# Altium PCB UmTRXv2.PcbDoc (part 23 of 25) (continued)
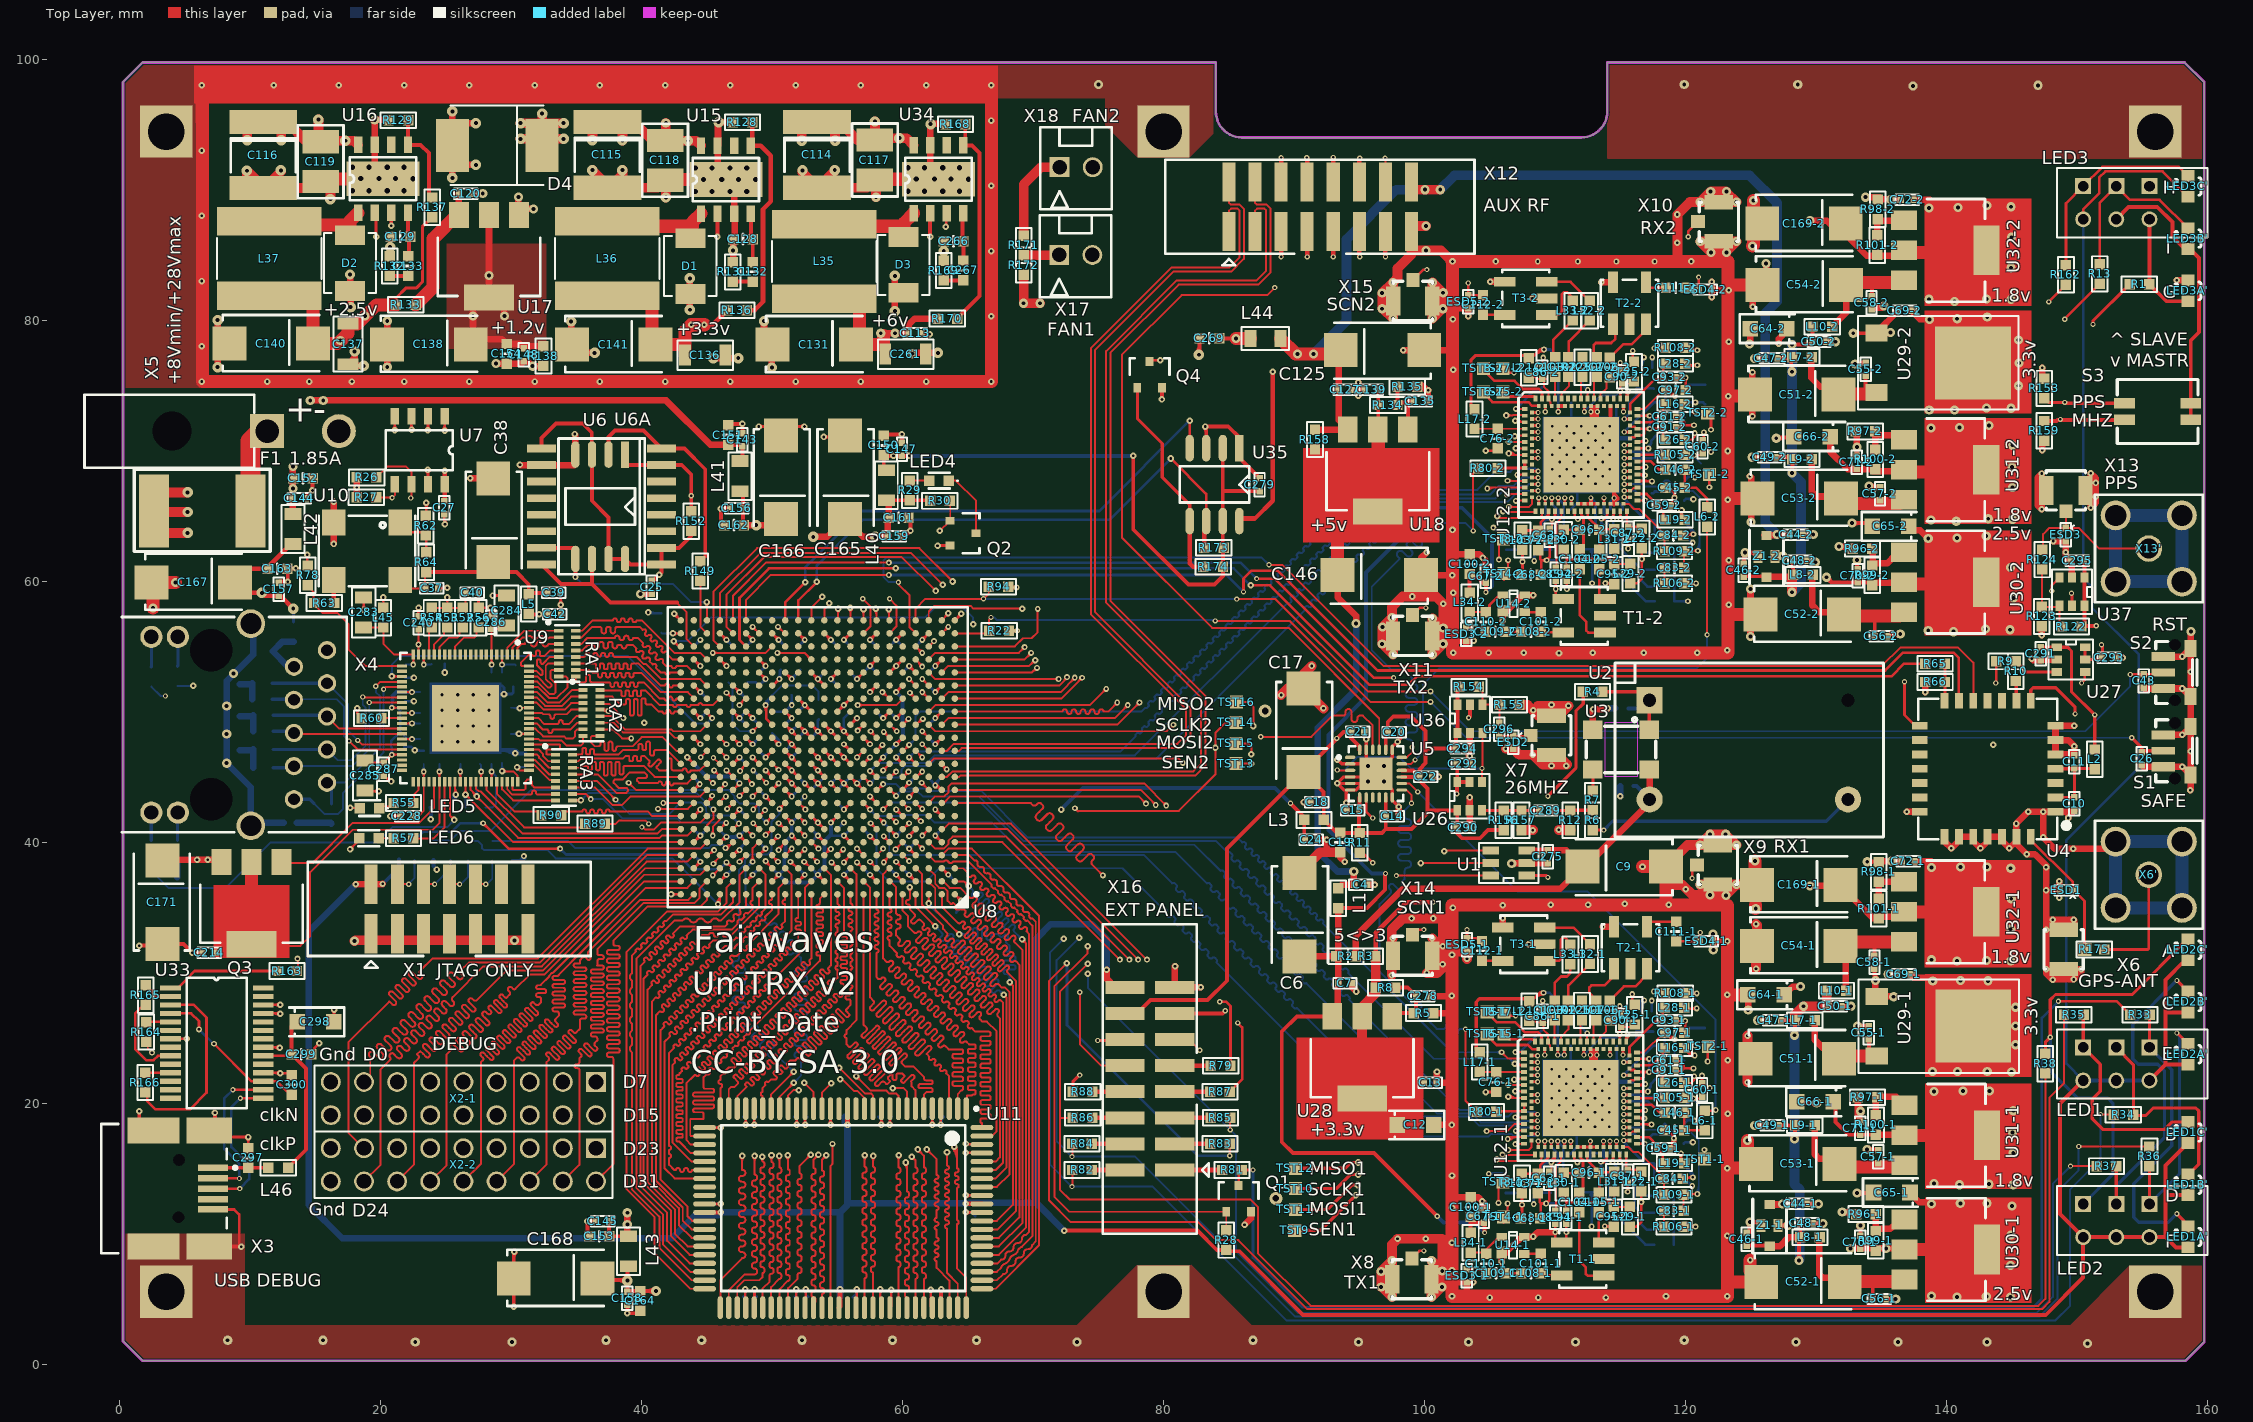
[diagram p0: Top Layer view]
## Nets (pads, with @x,y where several pads share a name; then routed paths per layer and width w, separated by ;. In a path a pad name is that pad's centre, name@x,y a point inside that pad or via, vN(x,y) a via of type N, cw(c..) or ccw(c..) an arc to the next point about the centre after c; other vN are vias at no path point) (continued)
TX2D3: U8.K7 U12-2.24 | length 76.3
  Top Layer w0.15: v2@57.5,45.275 cw(c57.5,44.732) U8.K7@57.884,45.116 ; v2@57.675,45.45 ccw(c57.977,45.45) 57.763,45.237 ; 57.719,45.241 cw(c57.8,45.546) v2(57.5,45.45) ; U8.K7@58,45 57.55,45.45 v2(57.5,45.45) ; v2(57.5,45.45) cw(c57.453,45.166) 57.731,45.241 ccw(c57.453,45.166) v2(57.5,45.45) ; v2(57.5,45.45) ccw(c57.877,45.591) 57.773,45.202 cw(c57.877,45.591) v2(57.5,45.45) ; v2@57.5,45.3 cw(c57.5,44.817) 57.841,45.159 ccw(c57.5,44.817) v2@57.5,45.3 ; v2@57.65,45.45 ccw(c57.891,45.45) 57.721,45.279 cw(c57.891,45.45) v2@57.65,45.45
  Top Layer w0.2: U12-2.24@108.246,67.43 v4@108.671,67.43 ; 108.455,67.43 cw(c108.455,67.188) v4@108.625,67.359 ; 108.455,67.43 ccw(c108.455,67.671) v4@108.625,67.501 ; 108.455,67.43 ccw(c108.455,67.671) v4@108.625,67.501 ; 108.455,67.43 cw(c108.455,67.188) v4@108.625,67.359 ; 108.455,67.43 ccw(c108.455,67.671) v4@108.625,67.501 ; 108.455,67.43 cw(c108.455,67.188) v4@108.625,67.359
  Bottom Layer w0.15: v2@57.5,45.625 ccw(c57.5,46.047) 57.799,45.749 ccw(c58.097,45.45) v2@57.675,45.45 ; v4(108.696,67.43) 108,67.43 107.87,67.3 107.19,67.3 106.94,67.05 106.134,67.05 105.434,66.35 97.5,66.35 97.176,66.026 97.183,66.019 cw(c97.084,65.92) 97.183,65.821 97.134,65.772 cw(c97.035,65.871) 96.936,65.772 96.929,65.779 96.922,65.786 ccw(c96.823,65.687) 96.724,65.786 96.674,65.736 ccw(c96.773,65.637) 96.674,65.538 96.681,65.531 96.688,65.524 cw(c96.589,65.425) 96.688,65.326 96.639,65.277 cw(c96.54,65.376) 96.441,65.277 96.434,65.284 96.427,65.291 ccw(c96.328,65.192) 96.229,65.291 96.179,65.241 ccw(c96.278,65.142) 96.179,65.043 96.186,65.036 96.193,65.029 cw(c96.094,64.93) 96.193,64.831 96.144,64.782 cw(c96.045,64.881) 95.946,64.782 95.939,64.789 95.932,64.796 ccw(c95.833,64.697) 95.734,64.796 95.684,64.746 ccw(c95.783,64.647) 95.684,64.548 95.691,64.541 95.698,64.534 cw(c95.599,64.435) 95.698,64.336 95.649,64.287 cw(c95.55,64.386) 95.451,64.287 95.437,64.301 ccw(c95.338,64.202) 95.239,64.301 95.189,64.251 ccw(c95.288,64.152) 95.189,64.053 95.196,64.046 95.203,64.039 cw(c95.104,63.94) 95.203,63.841 95.154,63.792 cw(c95.055,63.891) 94.956,63.792 94.949,63.799 94.942,63.806 ccw(c94.843,63.707) 94.744,63.806 94.694,63.756 ccw(c94.793,63.657) 94.694,63.558 94.701,63.551 94.708,63.544 cw(c94.609,63.445) 94.708,63.346 94.659,63.297 cw(c94.56,63.396) 94.461,63.297 94.454,63.304 94.447,63.311 ccw(c94.348,63.212) 94.249,63.311 94.199,63.261 ccw(c94.298,63.162) 94.199,63.063 94.206,63.056 94.213,63.049 cw(c94.114,62.95) 94.213,62.851 94.164,62.802 cw(c94.065,62.901) 93.966,62.802 93.959,62.809 93.952,62.816 ccw(c93.853,62.717) 93.754,62.816 93.704,62.767 ccw(c93.803,62.668) 93.704,62.569 93.711,62.561 93.719,62.554 cw(c93.62,62.455) 93.719,62.356 93.669,62.307 cw(c93.57,62.406) 93.471,62.307 93.464,62.314 93.457,62.321 ccw(c93.358,62.222) 93.259,62.321 93.209,62.272 ccw(c93.308,62.173) 93.209,62.074 93.224,62.059 cw(c93.125,61.96) 93.224,61.861 93.174,61.812 cw(c93.075,61.911) 92.976,61.812 92.969,61.819 92.962,61.826 ccw(c92.863,61.727) 92.764,61.826 92.714,61.777 ccw(c92.813,61.678) 92.714,61.579 92.721,61.571 92.729,61.564 cw(c92.63,61.465) 92.729,61.366 92.679,61.317 cw(c92.58,61.416) 92.481,61.317 92.474,61.324 92.467,61.331 ccw(c92.368,61.232) 92.269,61.331 92.219,61.282 ccw(c92.318,61.183) 92.219,61.084 92.227,61.077 92.234,61.069 cw(c92.135,60.97) 92.234,60.871 92.184,60.822 cw(c92.085,60.921) 91.986,60.822 91.979,60.829 91.972,60.836 ccw(c91.873,60.737) 91.774,60.836 91.724,60.787 ccw(c91.823,60.688) 91.724,60.589 91.732,60.582 91.739,60.574 cw(c91.64,60.475) 91.739,60.376 91.689,60.327 cw(c91.59,60.426) 91.491,60.327 91.484,60.334 91.477,60.341 ccw(c91.378,60.242) 91.279,60.341 91.23,60.292 ccw(c91.328,60.193) 91.229,60.094 91.237,60.087 91.244,60.079 cw(c91.145,59.981) 91.244,59.882 91.194,59.832 cw(c91.095,59.931) 90.996,59.832 90.982,59.846 ccw(c90.883,59.747) 90.784,59.846 90.735,59.797 ccw(c90.834,59.698) 90.735,59.599 90.742,59.592 90.749,59.585 cw(c90.65,59.486) 90.749,59.387 90.699,59.337 cw(c90.6,59.436) 90.501,59.337 90.494,59.344 90.487,59.351 ccw(c90.388,59.252) 90.289,59.351 90.24,59.302 ccw(c90.339,59.203) 90.24,59.104 90.247,59.097 90.254,59.09 cw(c90.155,58.991) 90.254,58.892 90.204,58.842 cw(c90.105,58.941) 90.006,58.842 89.999,58.849 89.992,58.856 ccw(c89.893,58.757) 89.794,58.856 89.745,58.807 ccw(c89.844,58.708) 89.745,58.609 89.752,58.602 89.759,58.595 cw(c89.66,58.496) 89.759,58.397 89.709,58.347 cw(c89.61,58.446) 89.511,58.347 89.504,58.354 77.8,46.65 62.446,46.65 61.871,46.075 58.125,46.075 v2(57.5,45.45) ; v2(57.5,45.45) ccw(c57.409,45.78) 57.74,45.691 cw(c57.409,45.78) v2(57.5,45.45) ; v2(57.5,45.45) cw(c57.83,45.359) 57.741,45.69 ccw(c57.83,45.359) v2(57.5,45.45) ; 57.756,45.706 cw(c57.5,45.962) 57.5,45.6 ccw(c57.5,45.962) 57.756,45.706 ; 57.756,45.706 ccw(c58.012,45.45) 57.65,45.45 cw(c58.012,45.45) 57.756,45.706 ; 108.394,67.43 cw(c108.394,67.128) v4@108.608,67.341 ; 108.394,67.43 ccw(c108.394,67.732) v4@108.608,67.518 ; 108.394,67.43 ccw(c108.394,67.732) v4@108.608,67.518 ; 108.394,67.43 cw(c108.394,67.128) v4@108.608,67.341 ; 108.394,67.43 ccw(c108.394,67.732) v4@108.608,67.518 ; 108.394,67.43 cw(c108.394,67.128) v4@108.608,67.341
TX2D4: U8.P2 U12-2.25 | length 76.3
  Top Layer w0.15: U8.P2@63,49 63.5,49.5 76.25,49.5 v2(77.25,50.5) ; v2(104.8,67.1) 104.88,67.18 U12-2.25@107.671,67.18 ; 76.994,50.244 cw(c77.25,49.988) v2@77.25,50.35 ; 76.994,50.244 ccw(c76.738,50.5) v2@77.1,50.5 ; 76.994,50.244 ccw(c76.738,50.5) v2@77.1,50.5 ; 76.994,50.244 cw(c77.25,49.988) v2@77.25,50.35 ; 76.994,50.244 ccw(c76.738,50.5) v2@77.1,50.5 ; 76.994,50.244 cw(c77.25,49.988) v2@77.25,50.35 ; 77.049,50.311 cw(c77.303,50.243) v2(77.25,50.5) ; 77.049,50.311 cw(c77.303,50.243) v2(77.25,50.5) ; 77.049,50.311 cw(c77.303,50.243) v2(77.25,50.5) ; 77.061,50.299 ccw(c76.993,50.553) v2(77.25,50.5) ; 77.061,50.299 ccw(c76.993,50.553) v2(77.25,50.5) ; 77.061,50.299 ccw(c76.993,50.553) v2(77.25,50.5) ; v2@104.906,66.994 cw(c105.355,66.545) 105.355,67.18 ; v2@104.906,66.994 cw(c105.355,66.545) 105.355,67.18 ; v2@104.906,66.994 cw(c105.355,66.545) 105.355,67.18
  MidLayer1 w0.15: 94.093,64.544 93.994,64.643 ccw(c93.867,64.516) 93.74,64.643 93.676,64.58 ccw(c93.803,64.452) 93.676,64.325 93.775,64.226 cw(c93.648,64.099) 93.775,63.972 93.711,63.908 cw(c93.584,64.035) 93.457,63.908 93.358,64.007 ccw(c93.231,63.88) 93.103,64.007 93.04,63.943 ccw(c93.167,63.816) 93.04,63.689 93.089,63.639 93.139,63.59 cw(c93.011,63.462) 93.139,63.335 93.075,63.272 cw(c92.948,63.399) 92.821,63.272 92.722,63.371 ccw(c92.594,63.243) 92.467,63.371 92.403,63.307 ccw(c92.531,63.18) 92.403,63.052 92.453,63.003 92.502,62.953 cw(c92.375,62.826) 92.502,62.699 92.439,62.635 cw(c92.311,62.762) 92.184,62.635 92.085,62.734 ccw(c91.958,62.607) 91.831,62.734 91.767,62.67 ccw(c91.894,62.543) 91.767,62.416 91.866,62.317 cw(c91.739,62.19) 91.866,62.062 91.802,61.999 cw(c91.675,62.126) 91.548,61.999 91.449,62.098 ccw(c91.321,61.97) 91.194,62.098 91.131,62.034 ccw(c91.258,61.907) 91.131,61.78 91.23,61.681 cw(c91.102,61.553) 91.23,61.426 91.166,61.362 cw(c91.039,61.49) 90.911,61.362 90.862,61.412 90.812,61.461 ccw(c90.685,61.334) 90.558,61.461 90.494,61.398 ccw(c90.621,61.27) 90.494,61.143 90.593,61.044 cw(c90.466,60.917) 90.593,60.79 90.529,60.726 cw(c90.402,60.853) 90.275,60.726 90.225,60.775 90.176,60.825 ccw(c90.049,60.698) 89.921,60.825 89.858,60.761 ccw(c89.985,60.634) 89.858,60.507 89.957,60.408 cw(c89.829,60.28) 89.957,60.153 89.893,60.09 cw(c89.766,60.217) 89.639,60.09 89.54,60.189 ccw(c89.412,60.061) 89.285,60.189 89.221,60.125 ccw(c89.349,59.998) 89.221,59.87 89.32,59.771 cw(c89.193,59.644) 89.32,59.517 89.257,59.453 cw(c89.129,59.58) 89.002,59.453 88.903,59.552 ccw(c88.776,59.425) 88.649,59.552 88.585,59.488 ccw(c88.712,59.361) 88.585,59.234 88.634,59.184 88.684,59.135 cw(c88.557,59.008) 88.684,58.88 88.62,58.817 cw(c88.493,58.944) 88.366,58.817 88.267,58.916 ccw(c88.139,58.788) 88.012,58.916 87.949,58.852 ccw(c88.076,58.725) 87.949,58.598 87.998,58.548 88.048,58.499 cw(c87.92,58.371) 88.048,58.244 87.984,58.18 cw(c87.857,58.308) 87.729,58.18 87.63,58.279 ccw(c87.503,58.152) 87.376,58.279 87.312,58.216 ccw(c87.439,58.088) 87.312,57.961 87.411,57.862 cw(c87.284,57.735) 87.411,57.608 87.348,57.544 cw(c87.22,57.671) 87.093,57.544 86.994,57.643 ccw(c86.867,57.516) 86.739,57.643 86.676,57.579 ccw(c86.803,57.452) 86.676,57.325 86.775,57.226 cw(c86.647,57.098) 86.775,56.971 86.711,56.908 cw(c86.584,57.035) 86.457,56.908 86.407,56.957 86.358,57.007 ccw(c86.23,56.879) 86.103,57.007 86.039,56.943 ccw(c86.167,56.816) 86.039,56.688 86.138,56.589 cw(c86.011,56.462) 86.138,56.335 86.075,56.271 cw(c85.947,56.398) 85.82,56.271 85.771,56.321 85.721,56.37 ccw(c85.594,56.243) 85.467,56.37 85.403,56.307 ccw(c85.53,56.179) 85.403,56.052 85.502,55.953 cw(c85.375,55.826) 85.502,55.698 85.438,55.635 cw(c85.311,55.762) 85.184,55.635 85.085,55.734 ccw(c84.957,55.606) 84.83,55.734 84.767,55.67 ccw(c84.894,55.543) 84.767,55.416 84.866,55.317 cw(c84.738,55.189) 84.866,55.062 84.802,54.998 cw(c84.675,55.126) 84.547,54.998 84.448,55.097 ccw(c84.321,54.97) 84.194,55.097 84.13,55.034 ccw(c84.257,54.906) 84.13,54.779 84.18,54.73 84.229,54.68 cw(c84.102,54.553) 84.229,54.426 84.166,54.362 cw(c84.038,54.489) 83.911,54.362 83.812,54.461 ccw(c83.685,54.334) 83.557,54.461 83.494,54.397 ccw(c83.621,54.27) 83.494,54.143 83.543,54.093 83.593,54.044 cw(c83.466,53.917) 83.593,53.789 83.529,53.726 cw(c83.402,53.853) 83.275,53.726 83.176,53.825 ccw(c83.048,53.697) 82.921,53.825 82.857,53.761 ccw(c82.985,53.634) 82.857,53.506 82.956,53.407 cw(c82.829,53.28) 82.956,53.153 82.893,53.089 cw(c82.765,53.216) 82.638,53.089 82.539,53.188 ccw(c82.412,53.061) 82.285,53.188 82.221,53.125 ccw(c82.348,52.997) 82.221,52.87 82.32,52.771 cw(c82.193,52.644) 82.32,52.516 82.256,52.453 cw(c82.129,52.58) 82.002,52.453 81.952,52.502 81.903,52.552 ccw(c81.776,52.425) 81.648,52.552 81.585,52.488 ccw(c81.712,52.361) 81.585,52.234 cw(c81.535,52.184) 81.585,52.135 81.1,51.65 78.35,51.65 77.25,50.55 v2(77.25,50.5) ; 94.093,64.544 ccw(c94.221,64.672) 94.348,64.544 ; 94.348,64.544 94.411,64.608 ccw(c94.284,64.735) 94.411,64.862 94.312,64.961 cw(c94.44,65.089) 94.312,65.216 94.376,65.28 cw(c94.503,65.152) 94.631,65.28 94.68,65.23 94.73,65.181 ccw(c94.857,65.308) 94.984,65.181 95.048,65.244 ccw(c94.921,65.372) 95.048,65.499 94.949,65.598 cw(c95.076,65.725) 94.949,65.852 95.013,65.916 cw(c95.14,65.789) 95.267,65.916 ccw(c95.317,65.966) 95.366,65.916 96.55,67.1 v2(104.8,67.1) ; v2(77.25,50.5) ccw(c77.154,50.8) 77.459,50.719 ; v2(77.25,50.5) ccw(c77.154,50.8) 77.459,50.719 ; v2(77.25,50.5) ccw(c77.154,50.8) 77.459,50.719 ; v2@77.25,50.65 ccw(c77.25,50.891) 77.421,50.721 ; v2@77.25,50.65 ccw(c77.25,50.891) 77.421,50.721 ; v2@77.25,50.65 ccw(c77.25,50.891) 77.421,50.721 ; v2@77.4,50.5 cw(c77.883,50.5) 77.541,50.841 ; v2@77.4,50.5 cw(c77.883,50.5) 77.541,50.841 ; v2@77.4,50.5 cw(c77.883,50.5) 77.541,50.841 ; 104.438,67.1 cw(c104.438,66.738) v2@104.694,66.994 ; 104.438,67.1 ccw(c104.438,67.462) v2@104.694,67.206 ; 104.438,67.1 ccw(c104.438,67.462) v2@104.694,67.206 ; 104.438,67.1 cw(c104.438,66.738) v2@104.694,66.994 ; 104.438,67.1 ccw(c104.438,67.462) v2@104.694,67.206 ; 104.438,67.1 cw(c104.438,66.738) v2@104.694,66.994
TX2D5: U8.K8 U12-2.26 | length 76.8
  Top Layer w0.15: U8.K8@57,45 v2(57.5,44.5) ; 57.299,44.689 ccw(c57.553,44.757) v2(57.5,44.5) ; 57.311,44.701 cw(c57.243,44.447) v2(57.5,44.5) ; v2@57.325,44.5 ccw(c56.903,44.5) 57.201,44.799 ccw(c57.5,45.098) v2@57.5,44.675 ; 57.244,44.756 cw(c56.988,44.5) 57.35,44.5 ccw(c56.988,44.5) 57.244,44.756 ; 57.244,44.756 ccw(c57.5,45.012) 57.5,44.65 cw(c57.5,45.012) 57.244,44.756 ; v2(57.5,44.5) ccw(c57.17,44.409) 57.259,44.74 cw(c57.17,44.409) v2(57.5,44.5) ; v2(57.5,44.5) cw(c57.591,44.83) 57.26,44.741 ccw(c57.591,44.83) v2(57.5,44.5)
  Top Layer w0.2: U12-2.26@108.246,66.93 v4@108.671,66.93 ; 108.455,66.93 cw(c108.455,66.688) v4@108.625,66.859 ; 108.455,66.93 ccw(c108.455,67.171) v4@108.625,67.001 ; 108.455,66.93 ccw(c108.455,67.171) v4@108.625,67.001 ; 108.455,66.93 cw(c108.455,66.688) v4@108.625,66.859 ; 108.455,66.93 ccw(c108.455,67.171) v4@108.625,67.001 ; 108.455,66.93 cw(c108.455,66.688) v4@108.625,66.859
  Bottom Layer w0.15: v2@57.5,44.675 ccw(c57.5,45.097) 57.799,44.799 ccw(c58.097,44.5) v2@57.675,44.5 ; v4(108.696,66.93) 107.214,66.93 106.384,66.1 106.284,66.1 106.234,66.05 99.1,66.05 98.276,65.226 98.283,65.219 cw(c98.184,65.12) 98.283,65.021 98.234,64.972 cw(c98.135,65.071) 98.036,64.972 98.029,64.979 98.022,64.986 ccw(c97.923,64.887) 97.824,64.986 97.774,64.936 ccw(c97.873,64.837) 97.774,64.738 97.781,64.731 97.788,64.724 cw(c97.689,64.625) 97.788,64.526 97.739,64.477 cw(c97.64,64.576) 97.541,64.477 97.534,64.484 97.527,64.491 ccw(c97.428,64.392) 97.329,64.491 97.279,64.441 ccw(c97.378,64.342) 97.279,64.243 97.286,64.236 97.293,64.229 cw(c97.194,64.13) 97.293,64.031 97.244,63.982 cw(c97.145,64.081) 97.046,63.982 97.039,63.989 97.032,63.996 ccw(c96.933,63.897) 96.834,63.996 96.784,63.946 ccw(c96.883,63.847) 96.784,63.748 96.791,63.741 96.798,63.734 cw(c96.699,63.635) 96.798,63.536 96.749,63.487 cw(c96.65,63.586) 96.551,63.487 96.537,63.501 ccw(c96.438,63.402) 96.339,63.501 96.289,63.451 ccw(c96.388,63.352) 96.289,63.253 96.296,63.246 96.303,63.239 cw(c96.204,63.14) 96.303,63.041 96.254,62.992 cw(c96.155,63.091) 96.056,62.992 96.049,62.999 96.042,63.006 ccw(c95.943,62.907) 95.844,63.006 95.794,62.956 ccw(c95.893,62.857) 95.794,62.758 95.801,62.751 95.808,62.744 cw(c95.709,62.645) 95.808,62.546 95.759,62.497 cw(c95.66,62.596) 95.561,62.497 95.554,62.504 95.547,62.511 ccw(c95.448,62.412) 95.349,62.511 95.299,62.461 ccw(c95.398,62.362) 95.299,62.263 95.306,62.256 95.313,62.249 cw(c95.214,62.15) 95.313,62.051 95.264,62.002 cw(c95.165,62.101) 95.066,62.002 95.059,62.009 95.052,62.016 ccw(c94.953,61.917) 94.854,62.016 94.804,61.967 ccw(c94.903,61.868) 94.804,61.769 94.811,61.761 94.819,61.754 cw(c94.72,61.655) 94.819,61.556 94.769,61.507 cw(c94.67,61.606) 94.571,61.507 94.564,61.514 94.557,61.521 ccw(c94.458,61.422) 94.359,61.521 94.309,61.472 ccw(c94.408,61.373) 94.309,61.274 94.324,61.259 cw(c94.225,61.16) 94.324,61.061 94.274,61.012 cw(c94.175,61.111) 94.076,61.012 94.069,61.019 94.062,61.026 ccw(c93.963,60.927) 93.864,61.026 93.814,60.977 ccw(c93.913,60.878) 93.814,60.779 93.821,60.771 93.829,60.764 cw(c93.73,60.665) 93.829,60.566 93.779,60.517 cw(c93.68,60.616) 93.581,60.517 93.574,60.524 93.567,60.531 ccw(c93.468,60.432) 93.369,60.531 93.319,60.482 ccw(c93.418,60.383) 93.319,60.284 93.327,60.277 93.334,60.269 cw(c93.235,60.17) 93.334,60.071 93.284,60.022 cw(c93.185,60.121) 93.086,60.022 93.079,60.029 93.072,60.036 ccw(c92.973,59.937) 92.874,60.036 92.824,59.987 ccw(c92.923,59.888) 92.824,59.789 92.832,59.782 92.839,59.774 cw(c92.74,59.675) 92.839,59.576 92.789,59.527 cw(c92.69,59.626) 92.591,59.527 92.584,59.534 92.577,59.541 ccw(c92.478,59.442) 92.379,59.541 92.33,59.492 ccw(c92.428,59.393) 92.329,59.294 92.337,59.287 92.344,59.279 cw(c92.245,59.181) 92.344,59.082 92.294,59.032 cw(c92.195,59.131) 92.096,59.032 92.082,59.046 ccw(c91.983,58.947) 91.884,59.046 91.835,58.997 ccw(c91.934,58.898) 91.835,58.799 91.842,58.792 91.849,58.785 cw(c91.75,58.686) 91.849,58.587 91.799,58.537 cw(c91.7,58.636) 91.601,58.537 91.594,58.544 91.587,58.551 ccw(c91.488,58.452) 91.389,58.551 91.34,58.502 ccw(c91.439,58.403) 91.34,58.304 91.347,58.297 91.354,58.29 cw(c91.255,58.191) 91.354,58.092 91.304,58.042 cw(c91.205,58.141) 91.106,58.042 91.099,58.049 91.092,58.056 ccw(c90.993,57.957) 90.894,58.056 90.845,58.007 ccw(c90.944,57.908) 90.845,57.809 90.852,57.802 79.425,46.375 62.525,46.375 61.975,45.825 60.175,45.825 59.925,45.575 59.925,45.224 59.651,44.95 57.95,44.95 v2(57.5,44.5) ; v2(57.5,44.5) ccw(c57.409,44.83) 57.74,44.741 cw(c57.409,44.83) v2(57.5,44.5) ; v2(57.5,44.5) cw(c57.83,44.409) 57.741,44.74 ccw(c57.83,44.409) v2(57.5,44.5) ; 57.756,44.756 cw(c57.5,45.012) 57.5,44.65 ccw(c57.5,45.012) 57.756,44.756 ; 57.756,44.756 ccw(c58.012,44.5) 57.65,44.5 cw(c58.012,44.5) 57.756,44.756 ; 108.394,66.93 cw(c108.394,66.628) v4@108.608,66.841 ; 108.394,66.93 ccw(c108.394,67.232) v4@108.608,67.018 ; 108.394,66.93 ccw(c108.394,67.232) v4@108.608,67.018 ; 108.394,66.93 cw(c108.394,66.628) v4@108.608,66.841 ; 108.394,66.93 ccw(c108.394,67.232) v4@108.608,67.018 ; 108.394,66.93 cw(c108.394,66.628) v4@108.608,66.841
TX2D6: U8.P1 U12-2.27 | length 77.5
  Top Layer w0.15: U8.P1@64,49 76.45,49 v2(78.15,50.7) ; v2(106.3,66.65) 106.304,66.65 106.414,66.541 106.5,66.7 106.48,66.68 U12-2.27@107.671,66.68 ; 77.894,50.444 cw(c78.15,50.188) v2@78.15,50.55 ; 77.894,50.444 ccw(c77.638,50.7) v2@78,50.7 ; 77.894,50.444 ccw(c77.638,50.7) v2@78,50.7 ; 77.894,50.444 cw(c78.15,50.188) v2@78.15,50.55 ; 77.894,50.444 ccw(c77.638,50.7) v2@78,50.7 ; 77.894,50.444 cw(c78.15,50.188) v2@78.15,50.55 ; 77.949,50.511 cw(c78.203,50.443) v2(78.15,50.7) ; 77.949,50.511 cw(c78.203,50.443) v2(78.15,50.7) ; 77.949,50.511 cw(c78.203,50.443) v2(78.15,50.7) ; 77.961,50.499 ccw(c77.893,50.753) v2(78.15,50.7) ; 77.961,50.499 ccw(c77.893,50.753) v2(78.15,50.7) ; 77.961,50.499 ccw(c77.893,50.753) v2(78.15,50.7) ; v2@106.406,66.544 cw(c106.734,66.216) 106.734,66.68 ; v2@106.406,66.544 cw(c106.734,66.216) 106.734,66.68 ; v2@106.406,66.544 cw(c106.734,66.216) 106.734,66.68 ; v2@106.406,66.756 ccw(c106.59,66.94) 106.59,66.68 ; v2@106.406,66.756 ccw(c106.59,66.94) 106.59,66.68 ; v2@106.406,66.756 ccw(c106.59,66.94) 106.59,66.68
  MidLayer1 w0.15: v2(78.15,50.7) 78.8,51.35 82.35,51.35 84.763,53.763 ccw(c84.714,53.813) 84.763,53.862 cw(c84.891,53.99) 84.763,54.117 84.827,54.181 cw(c84.954,54.053) 85.082,54.181 85.181,54.082 ccw(c85.308,54.209) 85.435,54.082 85.499,54.145 ccw(c85.371,54.272) 85.499,54.4 85.4,54.499 cw(c85.527,54.626) 85.4,54.753 85.463,54.817 cw(c85.591,54.69) 85.718,54.817 85.767,54.767 85.817,54.718 ccw(c85.944,54.845) 86.072,54.718 86.135,54.782 ccw(c86.008,54.909) 86.135,55.036 86.036,55.135 cw(c86.163,55.262) 86.036,55.39 86.1,55.453 cw(c86.227,55.326) 86.354,55.453 86.404,55.404 86.453,55.354 ccw(c86.581,55.482) 86.708,55.354 86.772,55.418 ccw(c86.644,55.545) 86.772,55.673 86.673,55.772 cw(c86.8,55.899) 86.673,56.026 86.736,56.09 cw(c86.863,55.962) 86.991,56.09 87.09,55.991 ccw(c87.217,56.118) 87.344,55.991 87.408,56.054 ccw(c87.281,56.182) 87.408,56.309 87.309,56.408 cw(c87.436,56.535) 87.309,56.663 87.373,56.726 cw(c87.5,56.599) 87.627,56.726 87.726,56.627 ccw(c87.853,56.754) 87.981,56.627 88.044,56.691 ccw(c87.917,56.818) 88.044,56.945 87.995,56.995 87.945,57.044 cw(c88.073,57.172) 87.945,57.299 88.009,57.363 cw(c88.136,57.235) 88.264,57.363 88.363,57.264 ccw(c88.49,57.391) 88.617,57.264 88.681,57.327 ccw(c88.553,57.454) 88.681,57.582 88.631,57.631 88.582,57.681 cw(c88.709,57.808) 88.582,57.935 88.645,57.999 cw(c88.773,57.872) 88.9,57.999 88.999,57.9 ccw(c89.126,58.027) 89.253,57.9 89.317,57.964 ccw(c89.19,58.091) 89.317,58.218 89.218,58.317 cw(c89.345,58.444) 89.218,58.572 89.282,58.635 cw(c89.409,58.508) 89.536,58.635 89.635,58.536 ccw(c89.763,58.664) 89.89,58.536 89.954,58.6 ccw(c89.826,58.727) 89.954,58.855 89.855,58.954 cw(c89.982,59.081) 89.855,59.208 89.918,59.272 cw(c90.045,59.144) 90.173,59.272 90.222,59.222 90.272,59.173 ccw(c90.399,59.3) 90.526,59.173 90.59,59.236 ccw(c90.463,59.364) 90.59,59.491 90.491,59.59 cw(c90.618,59.717) 90.491,59.844 90.555,59.908 cw(c90.682,59.781) 90.809,59.908 90.859,59.859 90.908,59.809 ccw(c91.035,59.936) 91.163,59.809 91.226,59.873 ccw(c91.099,60) 91.226,60.127 91.127,60.226 cw(c91.255,60.354) 91.127,60.481 91.191,60.545 cw(c91.318,60.417) 91.446,60.545 91.545,60.446 ccw(c91.672,60.573) 91.799,60.446 91.863,60.509 ccw(c91.735,60.636) 91.863,60.764 91.764,60.863 cw(c91.891,60.99) 91.764,61.117 91.827,61.181 cw(c91.955,61.054) 92.082,61.181 92.181,61.082 ccw(c92.308,61.209) 92.435,61.082 92.499,61.146 ccw(c92.372,61.273) 92.499,61.4 92.45,61.45 92.4,61.499 cw(c92.527,61.626) 92.4,61.754 92.464,61.817 cw(c92.591,61.69) 92.718,61.817 92.817,61.718 ccw(c92.945,61.846) 93.072,61.718 93.136,61.782 ccw(c93.008,61.909) 93.136,62.037 93.086,62.086 93.037,62.136 cw(c93.164,62.263) 93.037,62.39 93.1,62.454 cw(c93.227,62.326) 93.355,62.454 93.454,62.355 ccw(c93.581,62.482) 93.708,62.355 93.772,62.418 ccw(c93.645,62.546) 93.772,62.673 93.673,62.772 cw(c93.8,62.899) 93.673,63.026 93.737,63.09 cw(c93.864,62.963) 93.991,63.09 94.09,62.991 ccw(c94.217,63.118) 94.345,62.991 94.408,63.055 ccw(c94.281,63.182) 94.408,63.309 94.309,63.408 cw(c94.437,63.536) 94.309,63.663 94.373,63.726 cw(c94.5,63.599) 94.627,63.726 94.677,63.677 94.726,63.627 ccw(c94.854,63.755) 94.981,63.627 95.045,63.691 ccw(c94.917,63.818) 95.045,63.946 94.946,64.045 cw(c95.073,64.172) 94.946,64.299 95.009,64.363 cw(c95.137,64.236) 95.264,64.363 95.313,64.313 95.363,64.264 ccw(c95.49,64.391) 95.617,64.264 95.681,64.328 ccw(c95.554,64.455) 95.681,64.582 95.582,64.681 cw(c95.709,64.808) 95.582,64.936 95.646,64.999 cw(c95.773,64.872) 95.9,64.999 95.999,64.9 ccw(c96.127,65.028) 96.254,64.9 96.317,64.964 ccw(c96.19,65.091) 96.317,65.218 96.218,65.317 cw(c96.346,65.445) 96.218,65.572 96.282,65.636 cw(c96.409,65.508) 96.537,65.636 96.636,65.537 ccw(c96.763,65.664) 96.89,65.537 96.954,65.6 ccw(c96.827,65.728) 96.954,65.855 96.904,65.904 96.855,65.954 cw(c96.982,66.081) 96.855,66.208 96.919,66.272 cw(c97.046,66.145) 97.173,66.272 ccw(c97.223,66.322) 97.272,66.272 97.541,66.541 97.755,66.541 ccw(c97.755,66.661) 97.875,66.661 cw(c98.055,66.661) 98.055,66.841 98.145,66.841 cw(c98.145,66.661) 98.325,66.661 ccw(c98.445,66.661) 98.445,66.541 98.655,66.541 ccw(c98.655,66.661) 98.775,66.661 cw(c98.955,66.661) 98.955,66.841 99.045,66.841 cw(c99.045,66.661) 99.225,66.661 ccw(c99.345,66.661) 99.345,66.541 99.555,66.541 ccw(c99.555,66.661) 99.675,66.661 cw(c99.855,66.661) 99.855,66.841 99.945,66.841 cw(c99.945,66.661) 100.125,66.661 ccw(c100.245,66.661) 100.245,66.541 100.455,66.541 ccw(c100.455,66.661) 100.575,66.661 cw(c100.755,66.661) 100.755,66.841 100.845,66.841 cw(c100.845,66.661) 101.025,66.661 ccw(c101.145,66.661) 101.145,66.541 101.355,66.541 ccw(c101.355,66.661) 101.475,66.661 cw(c101.655,66.661) 101.655,66.841 101.745,66.841 cw(c101.745,66.661) 101.925,66.661 ccw(c102.045,66.661) 102.045,66.541 102.255,66.541 ccw(c102.255,66.661) 102.375,66.661 cw(c102.555,66.661) 102.555,66.841 102.645,66.841 cw(c102.645,66.661) 102.825,66.661 ccw(c102.945,66.661) 102.945,66.541 103.155,66.541 ccw(c103.155,66.661) 103.275,66.661 cw(c103.455,66.661) 103.455,66.841 103.545,66.841 cw(c103.545,66.661) 103.725,66.661 ccw(c103.845,66.661) 103.845,66.541 106.414,66.541 106.304,66.65 v2(106.3,66.65) ; v2@78.15,50.85 ccw(c78.15,51.212) 78.406,50.956 ; v2@78.15,50.85 ccw(c78.15,51.212) 78.406,50.956 ; v2@78.15,50.85 ccw(c78.15,51.212) 78.406,50.956 ; v2@78.3,50.7 cw(c78.662,50.7) 78.406,50.956 ; v2@78.3,50.7 cw(c78.662,50.7) 78.406,50.956 ; v2@78.3,50.7 cw(c78.662,50.7) 78.406,50.956 ; 105.674,66.541 ccw(c105.674,67.276) v2@106.194,66.756 ; 105.674,66.541 ccw(c105.674,67.276) v2@106.194,66.756 ; 105.674,66.541 ccw(c105.674,67.276) v2@106.194,66.756 ; 105.937,66.608 cw(c106.031,66.445) v2@106.181,66.559 ; 105.937,66.608 cw(c106.031,66.445) v2@106.181,66.559 ; 105.937,66.608 cw(c106.031,66.445) v2@106.181,66.559 ; 106.036,66.541 ccw(c106.036,66.913) v2(106.3,66.65) ; 106.036,66.541 ccw(c106.036,66.913) v2(106.3,66.65) ; 106.036,66.541 ccw(c106.036,66.913) v2(106.3,66.65)